# Altium PCB FOC-PMSM.PcbDoc (part 1 of 2)
Units mm, origin at the board's own origin, x right, y up, seen from the top; angles counter-clockwise.
Board outline 99.83 x 99.65 mm, 2 copper layers (Top Layer, Bottom Layer); 90 components, 58 nets, 267 pads, 509 vias.
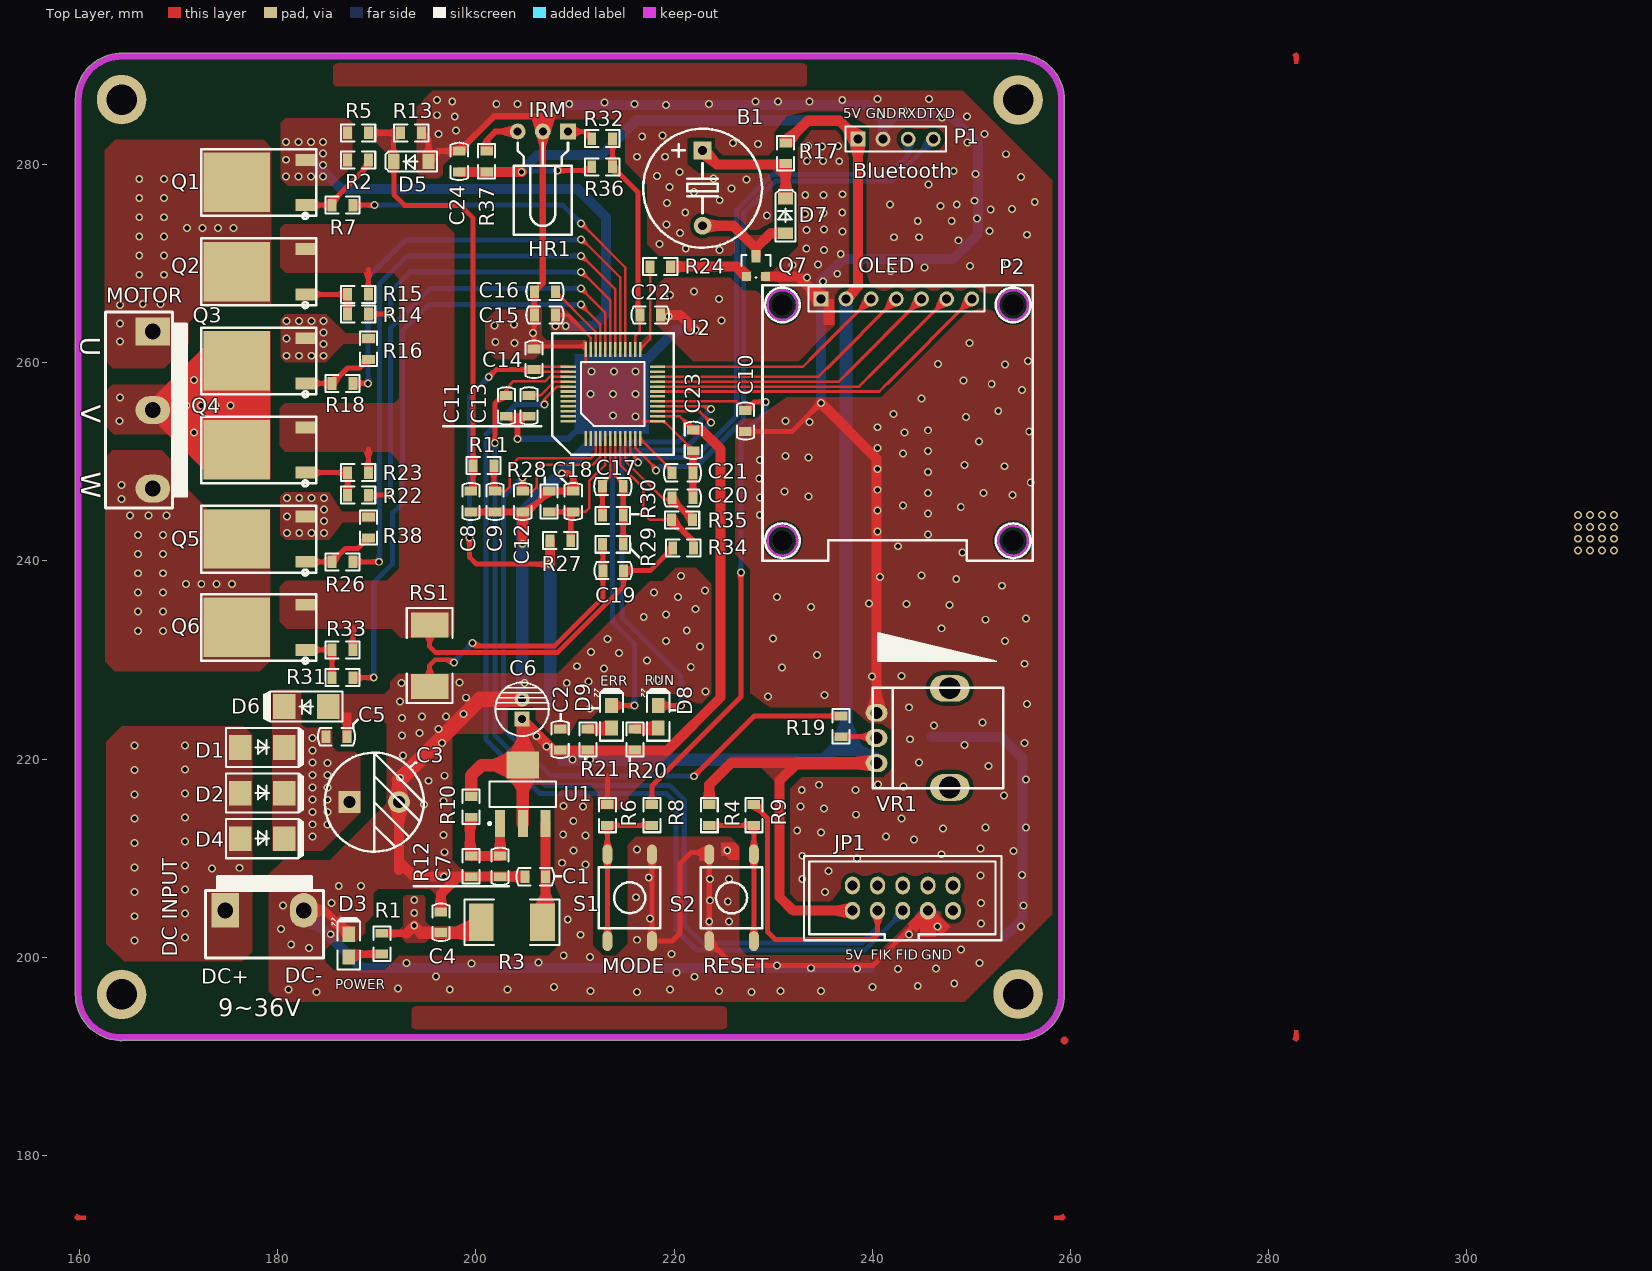
[diagram p0: Top Layer view]
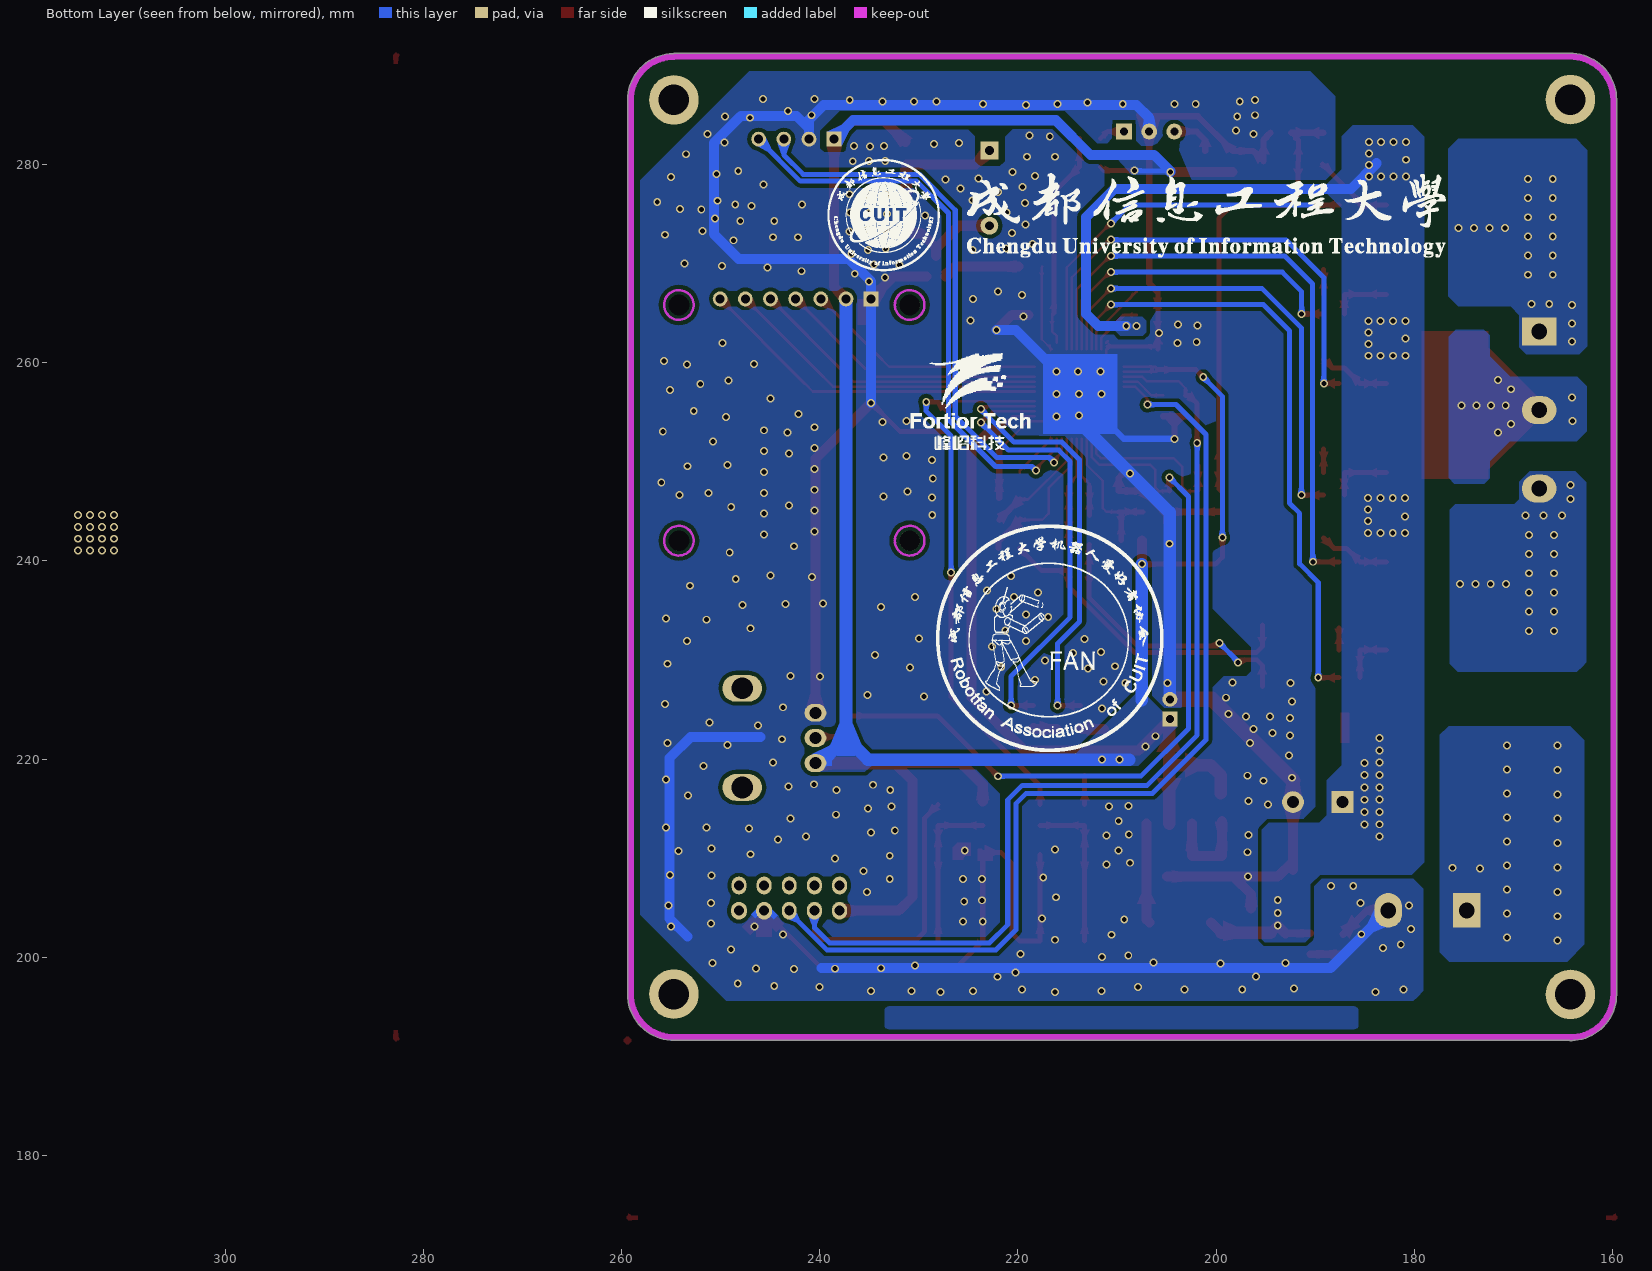
[diagram p1: Bottom Layer view, seen from below]
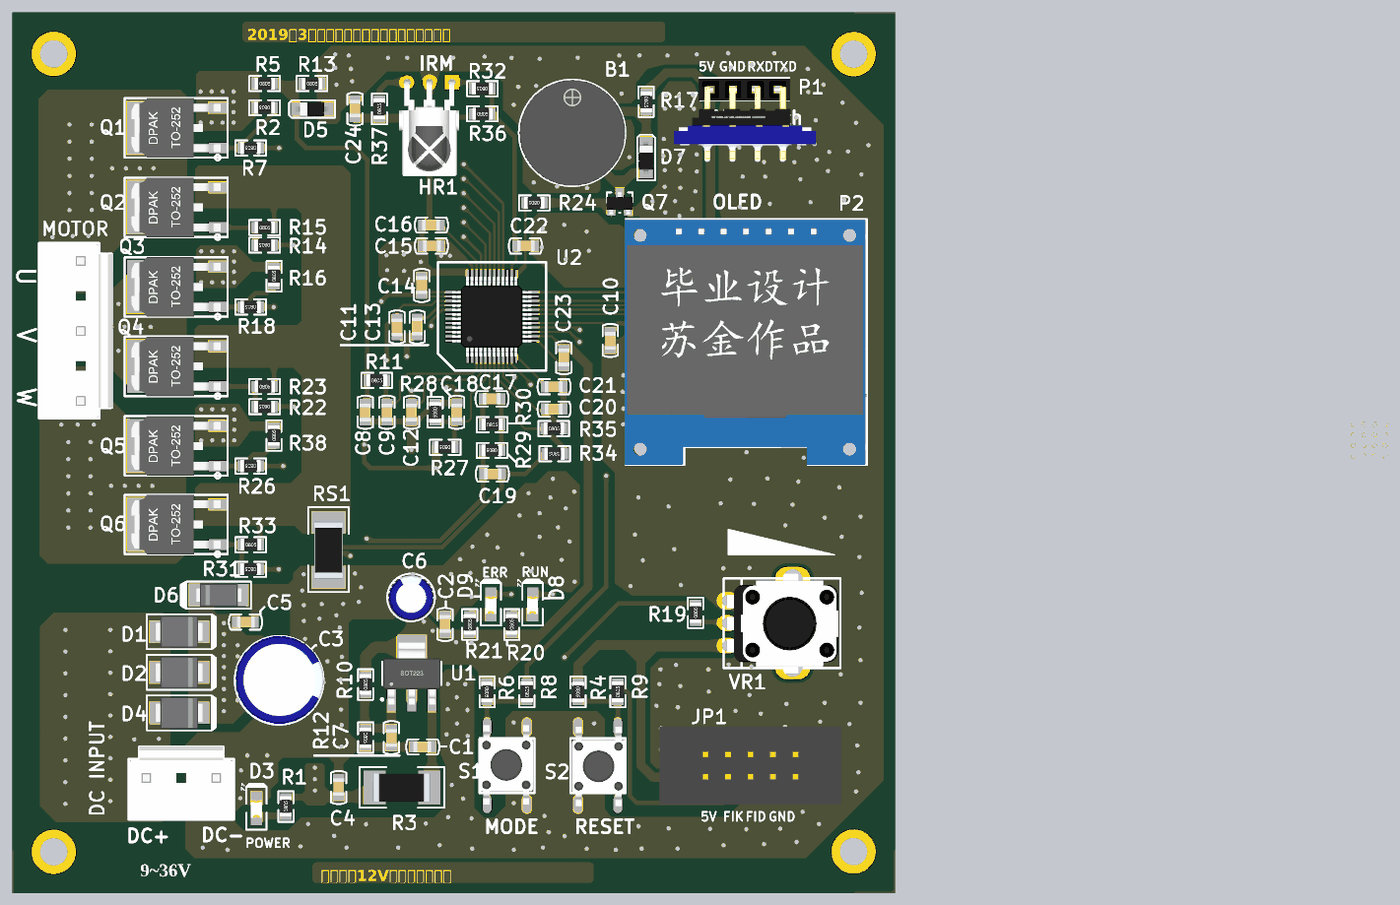
[diagram p3: 3D render of the assembled board from above, using the file's embedded part models]

## Layer stack, top to bottom
Top Solder: solder mask 0.0102, Solder Resist, Dk 3.5
Top Layer: signal copper 0.0356
Dielectric 1: dielectric 0.32, FR-4, Dk 4.8
Bottom Layer: signal copper 0.0356
Bottom Solder: solder mask 0.0102, Solder Resist, Dk 3.5

## Board outline
163.786,191.596 cw(c164.236,196.24) 159.57,196.24 cw(c159.888,196.24) 159.575,196.296 159.575,286.507 cw(c159.888,286.563) 159.57,286.563 cw(c164.236,286.563) 163.964,291.221 cw(c164.008,290.906) 164.008,291.224 164.022,291.224 cw(c164.236,286.563) 164.236,291.229 cw(c164.236,290.911) 164.292,291.224 254.711,291.224 cw(c254.711,290.906) 254.826,291.203 cw(c254.737,286.537) 259.403,286.537 cw(c259.085,286.537) 259.398,286.482 259.398,196.322 cw(c259.085,196.266) 259.403,196.266 cw(c254.737,196.266) 255.057,191.611 cw(c254.94,191.906) 254.94,191.588 164.33,191.588 cw(c164.236,191.892) 164.236,191.574 cw(c164.236,196.24) 163.874,191.588 163.855,191.588 cw(c163.855,191.906)

## Design rules (kind name [scope] priority, off if disabled: settings)
Clearance [NOT(InPolygon) vs NOT(InPolygon)] p1: gap=0.177
Clearance Polygon [InPolygon] p2: gap=0.4
Height [All] p1: minheight=0 maxheight=127 prefheight=12.7
PolygonConnect [All] p1: connectstyle=Direct reliefconductorwidth=0.254 reliefentries=4 polygonreliefangle="90 Angle" airgapwidth=0.254
RoutingVias [All] p1: holewidth=0.711 width=1.27 viastyle="Through Hole" minholewidth=0.279 minwidth=0.762 maxholewidth=0.711 maxwidth=1.27
SolderMaskExpansion [All] p1: expansion=0.102
Width [All] p1: maxlimit=5.08 minlimit=0.025 preferedwidth=0.254
29 further rules are at their usual default settings.

## Components (designator, comment, footprint, x,y, rotation, side; value= is the part's Value field where it differs from the comment)
B1 "BEEP" "BEEP 7.6x12x9.5" 222.885,281.432 r270 top
C1 "1uF/50V" C0805 207.004,208.119 r180 top
C2 "0.1uF" C0805 208.509,220.956 r90 top
C3 "220uF/50V" CE5-10/16 187.198,215.646 r0 top
C4 "1uF/50V" C0805 196.469,202.502 r90 top
C5 "0.1uF/50V" C0805 184.912,222.25 r0 top
C6 "22uF/16V" DIP-EC2.0X5X11 204.664,224.028 r90 top
C7 "0.1uF" C0805 202.438,210.185 r270 top
C8 "0.1uF" C0805 199.492,247.015 r270 top
C9 "0.1uF" C0805 201.93,247.015 r270 top
C10 "0.1uF" C0805 227.203,255.143 r270 top
C11 "NC" C0805 203.073,256.667 r270 top
C12 "0.1uF" C0805 204.724,247.015 r270 top
C13 "1uF" C0805 205.359,254.635 r90 top
C14 "1uF" C0805 205.867,259.334 r90 top
C15 "1uF/50V" C0805 205.952,264.82 r0 top
C16 "1uF" C0805 207.984,267.183 r180 top
C17 "NC" C0805 214.84,247.523 r180 top
C18 "0.1uF" C0805 209.829,247.015 r270 top
C19 "100pF" C0805 212.852,239.014 r0 top
C20 "1uF" C0805 221.869,246.355 r180 top
C21 "1uF" C0805 221.869,248.895 r180 top
C22 "1nF" C0805 216.586,264.82 r0 top
C23 "1uF" C0805 221.945,251.155 r90 top
C24 "104/0.1uF" C0805 198.323,279.31 r90 top
D1 "SS34" SMB 176.213,221.158 r0 top
D2 "SS34" SMB 176.213,216.56 r0 top
D3 "LED" LED0805 187.173,200.025 r90 top
D4 "SS34" SMB 176.213,211.963 r0 top
D5 "5V1" SOD-123 195.233,280.326 r180 top
D6 "SMAJ36CA" SMA 185.102,225.298 r180 top
D7 "1N4148" SOD-123 231.267,273.05 r90 top
D8 "LED" LED0805 218.415,223.114 r90 top
D9 "LED" LED0805 213.69,223.114 r90 top
"DC INPUT" "CON2" 250-2P 174.704,204.724 r0 top
HR1 "VS1838B" VS1838B-B_H 206.756,283.337 r180 top
JP1 "HEADER 5X2" "DC3-14P 2*7  2.54" 237.998,204.685 r0 top
MOTOR "CON3" 250-3P 167.386,263.144 r270 top
P1 "Bluetooth" HDR1X4 238.557,282.575 r0 top
P2 "OLED" HDR1X7 234.823,266.446 r0 top
Q1 "RU40L10L" TO-252-3L 179.324,278.189 r90 top
Q2 "RU3560L" TO-252-3L 179.324,269.189 r90 top
Q3 "RU40L10L" TO-252-3L 179.324,260.189 r90 top
Q4 "RU3560L" TO-252-3L 179.324,251.189 r90 top
Q5 "RU40L10L" TO-252-3L 179.324,242.189 r90 top
Q6 "RU3560L" TO-252-3L 179.324,233.289 r90 top
Q7 "SS8055" SOT-23 227.33,268.732 r0 top
R1 "30K" R0805 190.5,200.308 r90 top
R2 "10K" R0805 189.154,280.469 r180 top
R3 "100R" R2512 200.533,203.511 r0 top
R4 "5.1K/1%" R0805 223.556,215.392 r270 top
R5 "15K" R0805 187.054,283.21 r0 top
R6 "5.1K/1%" R0805 213.269,215.392 r270 top
R7 "51R" R0805 187.579,275.909 r180 top
R8 "1K" R0805 217.769,213.292 r90 top
R9 "1K" R0805 228.056,213.292 r90 top
R10 "1K" R0805 199.517,214.122 r90 top
R11 "1K" R0805 199.72,249.606 r0 top
R12 "3K" R0805 199.517,210.219 r270 top
R13 "2K" R0805 192.405,283.21 r0 top
R14 "51R" R0805 189.154,264.922 r180 top
R15 "10K" R0805 187.054,266.909 r0 top
R16 "10K" R0805 189.154,260.35 r90 top
R17 "30R" R0805 231.267,282.194 r270 top
R18 "51R" R0805 187.579,257.909 r180 top
R19 "1K" R0805 236.855,222.25 r90 top
R20 "5.1K" R0805 216.052,220.922 r90 top
R21 "5.1K" R0805 211.303,220.922 r90 top
R22 "51R" R0805 189.154,246.634 r180 top
R23 "10K" R0805 187.054,248.909 r0 top
R24 "3K" R0805 219.659,269.697 r180 top
R26 "51R" R0805 187.579,239.909 r180 top
R27 "10K" R0805 209.575,242.037 r180 top
R28 "10K" R0805 207.391,247.049 r270 top
R29 "2K/1%" R0805 214.874,241.679 r180 top
R30 "6.2K/1%" R0805 212.774,244.597 r0 top
R31 "51R" R0805 187.579,228.219 r180 top
R32 "1K" R0805 213.792,282.626 r180 top
R33 "10K" R0805 185.479,231.009 r0 top
R34 "2K/1%" R0805 221.971,241.3 r180 top
R35 "NC" R0805 219.761,244.145 r0 top
R36 "10K" R0805 211.692,279.781 r0 top
R37 "100R" R0805 201.092,279.276 r90 top
R38 "10K" R0805 189.154,242.316 r90 top
RS1 "R010" R2512 195.326,227.33 r90 top
S1 "SW DPST" SW-6/6 215.519,205.994 r90 top
S2 "SW DPST" SW-6/6 225.806,205.994 r270 top
U1 "LM317" SOT-223 202.438,213.487 r0 top
U2 "FU6831" LQFP48 211.074,252.349 r0 top
VR1 "" VR6 240.443,219.583 r90 top

## Footprints (in the part's own frame and the unit in brackets; to place one, negate y for a bottom-side part, rotate by r counter-clockwise, add the part's x,y. Pads: shape width x height; smd on the part's side, far side on the other; paste and mask are expansions set on the pad)
250-2P [mm]
  rect 2.8x3.5 hole 1.6: 1(0,0)
  oval 2.8x3.5 hole 1.6: 2(7.92,0)
  silkscreen extent -1.98,-4.8 9.9,3.4, body extent -1.98,-4.92 9.9,3.48, height 14.6
250-3P [mm]
  rect 2.8x3.5 hole 1.6: 1(0,0)
  oval 2.8x3.5 hole 1.6: 2(7.92,0) 3(15.84,0)
  silkscreen extent -1.98,-4.8 17.82,3.4, body extent -1.96,-4.91 17.84,3.49, height 14.6
"BEEP 7.6x12x9.5" [mm]
  rect 1.8x1.8 hole 0.9: 1(0,0)
  round 1.8 hole 0.9: 2(7.6,0)
  silkscreen extent -2.19,-6 9.81,6, body extent -2.19,-5.97 9.81,6.03, height 9.55
C0805 [mm]
  rect 0.9x1.27 smd mask+0.051: 1(-0.034,0) 2(2.066,0)
  silkscreen extent -0.87,-0.86 2.9,0.86, body extent 0.07,-0.63 2.07,0.63, height 1.25
CE5-10/16 [mm]
  rect 2.2x2.2 hole 1.2: 1(0.04,0)
  round 2.2 hole 1.2: 2(5.04,0)
  silkscreen extent -2.46,-5 7.54,5, body extent -2.41,-4.94 7.6,5.05, height 16.04
"DC3-14P 2*7  2.54" [mm]
  oval 1.5x1.8 hole 1: 1(0.009,0.003) 2(0.009,2.543) 3(2.549,0.003) 4(2.549,2.543) 5(5.089,0.003) 6(5.089,2.543) 8(7.629,2.543) 10(10.169,2.543)
  oval 1.6x1.8 hole 1: 7(7.629,0.003) 9(10.169,0.003)
  silkscreen extent -4.87,-2.98 15.05,5.52, body extent -5.22,-3.09 15.38,5.71, height 9.1
DIP-EC2.0X5X11 [mm]
  rect 1.5x1.5 hole 0.8: 1(0,0)
  round 1.5 hole 0.8: 2(2,0)
  silkscreen extent -1.7,-2.7 3.7,2.7, body extent -1.52,-2.5 3.49,2.5, height 11.04
HDR1X4 [mm] "Connector; Header; 4 Position"
  rect 1.5x1.5 hole 0.9: 1(0,0)
  round 1.5 hole 0.9: 2(2.54,0) 3(5.08,0) 4(7.62,0)
  silkscreen extent -1.27,-1.27 8.89,1.27, body extent -4.11,-8.23 11.89,1.17, height 45
HDR1X7 [mm] "Connector; Header; 7 Position"
  rect 1.5x1.5 hole 0.9: 1(0,0)
  round 1.5 hole 0.9: 2(2.54,0) 3(5.08,0) 4(7.62,0) 5(10.16,0) 6(12.7,0) 7(15.24,0)
  round 2 hole 2.1: A(-3.892,-0.609) B(19.408,-0.609) C(-3.892,-24.409) D(19.408,-24.409)
  Keep-Out Layer circle w0.254: c-3.892,-24.409 r1.496
  Keep-Out Layer circle w0.254: c19.408,-24.409 r1.496
  Keep-Out Layer circle w0.254: c19.408,-0.609 r1.496
  Keep-Out Layer circle w0.254: c-3.892,-0.609 r1.496
  silkscreen extent -5.89,-26.41 21.41,1.39, body extent -6.02,-26.42 21.26,1.37, height 13.5
LED0805 [mil]
  rect 60x50 smd mask+2: 1(0,0) 2(90,0)
  silkscreen extent -50,-45 156,67, body extent 3,-25 81,25, height 32
LQFP48 [mil]
  rect 10x60 smd: 1(0,0) 2(19.68,0) 3(39.37,0) 4(59.06,0) 5(78.74,0) 6(98.42,0) 7(118.11,0) 8(137.8,0) 9(157.48,0) 10(177.17,0) 11(196.85,0) 12(216.53,0) 25(216.53,354.33) 26(196.85,354.33) 27(177.17,354.33) 28(157.48,354.33) 29(137.8,354.33) 30(118.11,354.33) 31(98.42,354.33) 32(78.74,354.33) 33(59.06,354.33) 34(39.37,354.33) 35(19.68,354.33) 36(0,354.33)
  rect 60x10 smd: 13(285.43,68.9) 14(285.43,88.58) 15(285.43,108.27) 16(285.43,127.95) 17(285.43,147.64) 18(285.43,167.32) 19(285.43,187.01) 20(285.43,206.69) 21(285.43,226.38) 22(285.43,246.06) 23(285.43,265.75) 24(285.43,285.43) 37(-68.9,285.43) 38(-68.9,265.75) 39(-68.9,246.06) 40(-68.9,226.38) 41(-68.9,206.69) 42(-68.9,187.01) 43(-68.9,167.32) 44(-68.9,147.64) 45(-68.9,127.95) 46(-68.9,108.27) 47(-68.9,88.58) 48(-68.9,68.9)
  silkscreen extent -133,-64 349,418, body extent -70,-1 284,353, height 59
R0805 [mm]
  rect 0.9x1.27 smd mask+0.051: 1(0,0) 2(2.1,0)
  silkscreen extent -0.69,-0.86 2.79,0.86, body extent -0.08,-0.67 2.22,0.68, height 0.76
R2512 [mm]
  rect 2.5x3.8 smd mask+0.051: 1(0,0) 2(6.196,0)
  silkscreen extent -1.69,-2.29 7.91,2.31, body extent -0.3,-1.6 6.4,1.6, height 0.55
SMA [mil]
  rect 90x98 smd mask+2: 1(0,0) 2(175,0)
  silkscreen extent -57,-60 255,60, body extent -16,-51 188,51, height 95
SMB [mil]
  rect 90x98 smd mask+2: 1(0,0) 2(175,0)
  silkscreen extent -57,-78 250,78, body extent -19,-71 193,71, height 91
SOD-123 [mm]
  rect 1.2x1.5 smd: 1(0.028,0) 2(3.528,0)
  silkscreen extent -0.82,-1 4.38,1, body extent -0.07,-0.77 3.63,0.83, height 1.27
SOT-23 [mil]
  rect 36x36 smd: 1(-0.51,-0.15) 3(74.49,-0.15)
  rect 36x50 smd: 2(37.49,79.85)
  silkscreen extent -21,-5 94,85, body extent -22,-13 96,85, height 41
SOT-223 [mm]
  rect 1x2.7 smd: 1(0,0) 2(2.3,0) 3(4.6,0)
  rect 3.3x2.7 smd: 4(2.3,5.9)
  silkscreen extent -1.17,-0.12 5.65,4.25, body extent -0.94,-0.59 5.56,6.43, height 1.65
SW-6/6 [mm]
  oval 2x1 smd: 1(-4.37,-2.25) 1(4.37,-2.25) 2(-4.37,2.25) 2(4.37,2.25)
  silkscreen extent -3.1,-3.1 3.1,3.1, body extent -4.42,-2.92 4.58,3.08, height 4.95
TO-252-3L [mm]
  rect 1.2x2 smd: 1(-2.28,-3.457) 3(2.28,-3.457)
  rect 6x6.7 smd: 2(0.02,3.457)
  silkscreen extent -3.66,-4.58 3.36,7.06, body extent -3.37,-3.79 3.37,6.31, height 2.37
VR6 [mm]
  oval 1.8x2.2 hole 1.2: 1(0,0) 3(5.08,0) W(2.54,0)
  oval 2.7x4 hole 2.2: 4(7.55,-7.4) 5(-2.45,-7.4)
  silkscreen extent -2.54,-12.81 7.62,0.4, body extent -3.21,-12.56 8.19,0.09, height 20
VS1838B-B_H [mm]
  rect 1.6x1.6 hole 0.8: 1(-2.54,0)
  round 1.6 hole 0.8: 2(0,0) 3(2.54,0)
  silkscreen extent -2.92,1.14 2.92,10.41, body extent -3.37,-0.22 3.43,10.63, height 5.15

## Part data
B1: "蜂鸣器"
C1 C2 C4 C5 C7 C8 C9 C10 C11 C12 C13 C14 C15 C16 C17 C18 C19 C20 C21 C22 C23 C24: library part CAP, "Capacitor"
C3 C6: library part CAP极性, "Capacitor"
D1 D2 D4 D7: library part DIODE, "Diode"
D5 D6: library part ZENER3, "Zener Diode"
"DC INPUT" MOTOR: "Connector"
HR1: "红外接收头"
P1: library part "Header 4", "Header, 4-Pin"
P2: library part "Header 7", "Header, 7-Pin"
Q1 Q3 Q5: library part CAP_4
Q2 Q4 Q6: library part CAP_2
Q7: library part NPN, "NPN Transistor"
R1 R2 R3 R5 R7 R10 R11 R12 R13 R14 R15 R16 R17 R18 R20 R21 R22 R23 R24 R26 R27 R28 R31 R32 R33 R36 R37 R38 RS1: library part RES-SMD, "RES"
R4 R6 R8 R9 R19 R29 R30 R34 R35: library part RES(SMD)
VR1: library part RV-3296, "Potentiometer"

## Free pads (board coordinates)
  round 5 hole 3.1: 1(164.236,286.563) 2(254.737,286.537) 3(164.236,196.24) 4(254.737,196.266)

## Via types
v1: diameter 0.8, hole 0.5, Top Layer to Bottom Layer, tented both sides, 493 vias
v2: diameter 0.8, hole 0.5, Top Layer to Bottom Layer, 16 vias

## Nets (pads, with @x,y where several pads share a name; then routed paths per layer and width w, separated by ;. In a path a pad name is that pad's centre, name@x,y a point inside that pad or via, vN(x,y) a via of type N, cw(c..) or ccw(c..) an arc to the next point about the centre after c; other vN are vias at no path point)
AMP0M: C17.1 R29.1 R30.2 U2.7 | length 11
  Top Layer w0.254: U2.7@214.074,252.349 214.074,248.562 214.874,247.762 C17.1@214.874,247.523
  Top Layer w0.508: R29.1@214.874,241.679 R30.2@214.874,244.597 C17.1@214.874,247.523
AMP0O: C17.2 R30.1 U2.6 | length 8.1
  Top Layer w0.254: C17.2@212.774,247.523 212.774,247.775 213.574,248.575 U2.6@213.574,252.349
  Top Layer w0.508: R30.1@212.774,244.597 C17.2@212.774,247.523
AMP0P: R34.1 R35.1 U2.8 | length 15.4
  Top Layer w0.254: U2.8@214.574,252.349 214.574,249.687 216.916,247.345 216.916,244.78 217.551,244.145 R35.1@219.761,244.145
  Top Layer w0.635: R35.1@219.761,244.145 221.971,241.935 R34.1@221.971,241.3
BZ: R24.2 U2.25 | length 8.8
  Top Layer w0.254: U2.25@216.574,261.349 217.602,262.377 217.602,269.655 R24.2@217.559,269.697
ERR: D9.2 U2.16 | length 45.7
  Top Layer w0.254: U2.16@218.324,255.599 223.47,255.599 v1(223.749,255.321)
  Top Layer w0.508: D9.2@213.69,225.4 v1(216.002,225.4)
  Bottom Layer w0.508: v1(216.002,225.4) 216.002,231.648 213.792,233.858 213.792,250.215 215.57,251.993 220.421,251.993 v1(223.749,255.321)
FICED: JP1.5 U2.41 | length 101.6
  Top Layer w0.254: v1(206.934,255.778) 206.934,256.337 208.196,257.599 U2.41@209.324,257.599
  Bottom Layer w0.254: v1@206.881,255.725 v1(206.934,255.778)
  Bottom Layer w0.508: v1(206.934,255.778) 204.038,255.778 201.016,252.755 201.016,221.945 206.426,216.535 219.177,216.535 220.218,215.494 220.218,202.743 222.225,200.736 239.298,200.736 243.087,204.525 JP1.5@243.087,204.688
FICEK: C11.1 JP1.3 R9.2 U2.39 | length 126.9
  Top Layer w0.254: C11.1@203.073,256.701 203.073,257.429 203.784,258.14 207.01,258.14 207.469,258.599 U2.39@209.324,258.599
  Top Layer w0.508: v1(201.905,251.892) 201.93,251.917 201.93,255.905 202.726,256.701 C11.1@203.073,256.701 ; R9.2@228.056,215.392 229.413,214.035 229.413,202.59 230.226,201.778 239.979,201.778 240.547,202.345 JP1.3@240.547,204.688
  Bottom Layer w0.508: v1(201.905,251.892) 201.905,222.402 206.959,217.348 219.558,217.348 221.031,215.875 221.031,203.276 222.885,201.422 239.014,201.422 240.547,202.955 JP1.3@240.547,204.688
GND: "DC INPUT.2" C1.2 C2.2 C3.2 C4.2 C5.2 C6.2 C7.2 C8.2 C9.2 C10.2 C11.2 C12.2 C13.1 C14.2 C15.1 C16.2 C18.1 C19.1 C20.1 C21.1 C22.2 C23.1 C24.2 D3.2 D5.1 D6.1 HR1.2 JP1.7 P1.2 P2.1 Q7.3 R12.2 R13.2 R28.1 R29.2 RS1.1 S1.1 S2.1 U2.13 U2.36 VR1.3 | length 508.6
  Top Layer w0.254: C16.2@205.867,267.132 C16.2@205.918,267.183 ; C14.2@205.918,261.645 C14.2@206.015,261.548 ; 211.074,259.969 U2.36@211.074,261.349 ; 216.84,254.102 216.842,254.099 U2.13@218.324,254.099 218.967,254.099 C23.1@221.945,251.121
  Top Layer w0.381: C14.2@205.842,261.654 U2.36@210.998,261.654 ; C14.2@205.867,261.4 C14.2@205.918,261.349
  Top Layer w0.5: RS1.1@195.326,227.33 195.326,229.464 195.885,230.022 197.51,230.022 v1(197.79,229.743) ; v1(199.644,231.699) 199.923,231.419 207.95,231.419 212.818,236.288 C19.1@212.818,239.014 212.818,241.635 R29.2@212.774,241.679
  Top Layer w0.508: C14.2@205.867,261.4 C16.2@205.867,267.132 ; S1.1@217.769,210.364 S1.1@217.769,201.624 219.81,201.624 220.624,202.438 220.624,209.474 221.691,210.541 223.379,210.541 S2.1@223.556,210.364 S2.1@223.556,201.624 226.044,199.136 240.075,199.136 JP1.7@245.627,204.688 ; C10.2@227.203,253.077 231.919,253.077 v1@234.798,255.956
  Top Layer w0.635: R13.2@194.505,283.21 195.205,282.51 D5.1@195.205,280.326 196.255,281.376 C24.2@198.323,281.376 201.834,284.886 206.756,284.886 HR1.2@206.756,283.337 206.756,268.021 C16.2@205.918,267.183 ; C8.2@199.492,244.949 C9.2@201.93,244.949 C12.2@204.724,244.949 205.291,244.949 R28.1@207.391,247.049 C18.1@209.829,247.049 209.829,248.387 209.398,248.818 v1(208.686,248.818) ; C11.2@203.073,254.601 204.191,254.601 ; v1(204.191,252.324) 204.191,254.601 ; v1(204.699,241.732) v1@204.724,241.757 ; C13.1@205.359,254.601 204.191,254.601 ; C20.1@221.903,246.355 C21.1@221.903,248.895 221.903,251.079 C23.1@221.945,251.121
  Top Layer w0.762: 182.624,204.724 184.76,204.724 D3.2@187.173,202.311
  Top Layer w1.016: 192.238,208.799 192.238,209.666 ; C3.2@192.238,215.646 192.238,209.666 ; C4.2@196.469,204.902 196.469,206.375 198.213,208.119 ; v1@204.724,241.757 C12.2@204.724,244.949 ; C1.2@204.938,208.119 C7.2@202.438,208.119 R12.2@199.517,208.119 193.785,208.119 192.238,209.666 ; C22.2@218.948,264.82 220.624,264.82 v1(222.148,263.296) ; Q7.3@229.222,268.728 232.541,268.728 P2.1@234.823,266.446 ; v1@234.798,255.956 240.443,250.311 VR1.3@240.443,224.663
  Top Layer w1.27: C3.2@192.238,215.646 v1@192.238,217.841
  Top Layer w1.524: v1@192.238,217.841 200.425,226.028 C6.2@204.664,226.028
  Bottom Layer w0.5: v1(197.79,229.743) 197.79,229.845 v1(199.644,231.699)
  Bottom Layer w0.635: v1(204.191,252.324) 209.334,252.324 v1(213.843,256.832) ; 213.843,253.975 v1(213.843,254.686) ; v1(216.103,259.105) v1@216.103,259.182
  Bottom Layer w1.016: 182.624,204.724 188.466,198.882 239.821,198.882 ; C6.2@204.664,226.028 C6.2@204.699,226.063 ; HR1.2@206.756,283.337 206.756,284.734 208.026,286.004 239.624,286.004 241.097,284.531 P1.2@241.097,282.575 241.097,283.642 242.367,284.912 247.98,284.912 250.698,282.194 250.698,272.999 248.183,270.485 237.109,270.485 234.823,268.199 P2.1@234.823,266.446 v1(234.823,255.93) ; v1(208.686,248.818) 213.843,253.975 ; 215.341,255.524 215.341,258.47 ; v1@216.103,259.182 220.218,263.296 v1(222.148,263.296) ; 245.974,222.225 253.035,222.225 255.168,220.091 255.168,203.886 253.365,202.082
  Bottom Layer w1.27: C6.2@204.699,226.063 v1(204.699,241.732) 204.699,244.881 215.341,255.524
  other v1: 183.896,196.469 216.281,196.469 227.838,196.469 211.582,196.596 224.536,196.596 230.759,196.596 234.823,196.596 181.102,196.723 197.358,196.723 203.2,196.723 219.583,196.723 192.151,196.85 207.899,196.977 240.03,196.977 244.602,197.104 248.285,197.358 222.047,198.018 195.961,198.044 220.243,198.45 242.595,198.806 238.481,198.831 246.431,198.857 233.807,198.882 230.403,199.136 199.568,199.365 193.015,199.39 250.825,199.39 206.324,199.441 211.506,200.025 208.864,200.177 219.761,200.304 248.971,200.762 183.134,200.914 181.356,201.295 216.281,201.752 210.566,202.26 243.713,202.286 185.344,202.311 180.34,202.819 246.583,203.073 255.016,203.073 250.977,203.378 223.556,203.581 225.552,203.581 209.271,203.81 217.576,203.886 180.543,205.207 255.27,205.232 185.42,205.461 250.977,205.486 225.425,205.613 223.647,205.74 216.179,206.045 235.229,206.578 186.157,207.162 188.392,207.162 232.943,207.874 223.647,207.899 225.552,207.899 217.449,208.026 196.799,208.153 250.952,208.229 255.143,208.28 235.61,208.686 211.074,209.347 208.686,209.525 238.481,209.956 232.943,210.236 246.99,210.388 196.825,210.591 254.279,210.693 209.855,210.744 225.374,210.769 216.281,210.871 250.952,210.972 244.221,211.887 241.376,212.192 211.049,212.293 196.748,212.344 208.813,212.369 234.848,212.598 232.435,212.776 247.142,212.979 251.46,213.106 255.524,213.106 209.829,213.741 242.951,213.995 238.354,214.376 235.128,215.011 210.795,215.214 232.766,215.214 208.839,215.24 194.767,215.417 196.723,215.748 253.289,216.332 232.893,216.891 238.303,216.891 243.18,217.246 234.645,217.399 240.589,217.449 195.199,217.805 255.524,217.932 192.354,218.11 196.85,218.313 251.765,219.278 244.729,219.634 192.659,220.345 249.301,221.412 196.596,221.615 255.397,221.615 243.815,221.996 192.532,222.377 194.31,222.631 196.215,223.012 246.253,223.368 251.155,223.672 192.532,224.155 194.564,224.282 196.977,224.282 198.755,224.536 211.506,225.095 243.738,225.222 255.651,225.552 192.329,225.806 199.009,226.187 229.489,226.314 235.204,226.441 223.164,226.822 192.507,227.66 204.902,227.66 209.169,227.686 198.323,227.736 211.379,227.813 218.262,227.99 240.005,228.346 242.951,228.371 212.928,229.133 230.886,229.235 221.691,229.286 210.21,229.362 255.397,229.616 217.272,229.946 234.442,230.505 214.452,230.683 211.607,230.784 222.606,231.369 219.202,231.902 253.39,231.902 213.284,232.131 229.997,232.156 221.285,232.969 247.015,233.197 251.46,234.061 255.524,234.188 216.941,234.315 219.202,234.569 222.174,235.128 233.807,235.331 247.828,235.534 243.459,235.636 239.7,235.687 220.421,236.347 230.378,236.347 217.957,236.83 223.139,237.007 253.111,237.49 248.488,238.15 240.792,238.379 220.701,238.455 244.983,238.506 249.098,240.843 242.621,241.478 245.618,242.661 240.538,242.969 228.651,244.627 245.618,244.765 240.538,245.074 248.945,245.44 243.129,245.593 228.676,246.405 233.553,246.507 254.152,246.659 251.231,246.837 245.618,246.87 231.14,247.015 240.538,247.178 256.007,247.904 228.6,248.31 245.618,248.974 240.538,249.283 253.365,249.555 249.301,249.682 228.676,250.19 233.553,250.444 231.267,250.571 243.129,250.825 245.618,251.079 240.538,251.387 250.774,252.044 243.256,252.959 255.854,253.06 245.618,253.184 240.538,253.492 233.68,254 231.267,254.127 249.453,254.533 216.103,254.559 242.164,254.838 252.73,255.143 244.983,256.413 211.582,256.832 216.103,256.832 255.143,257.251 252.07,257.835 249.225,258.191 211.684,259.105 213.944,259.105 253.416,259.842 246.634,259.893 255.727,260.198 203.886,262.001 249.809,262.001 201.955,262.077 205.765,263.017 201.879,263.754 203.86,263.855 224.79,264.287 219.456,264.668 224.536,266.446 219.583,266.827 221.996,267.208 235.026,268.224 233.426,268.605 236.474,268.986 241.859,269.24 245.262,269.596 249.86,269.773 231.978,269.85 234.544,269.9 253.67,270.027 236.83,270.993 224.587,271.399 235.128,271.399 233.35,271.526 221.183,271.551 218.542,272.009 248.717,272.364 242.189,272.669 244.729,272.669 255.626,272.923 220.599,273.101 237.007,273.253 251.841,273.304 233.375,273.406 235.128,273.431 219.253,273.939 244.602,274.32 248.031,274.32 250.571,274.574 229.362,274.879 233.223,275.006 235.102,275.133 221.132,275.184 236.982,275.184 251.968,275.463 254.102,275.514 246.888,275.844 241.808,275.971 248.539,275.971 219.304,276.123 256.413,276.225 250.317,276.352 224.612,276.403 233.248,276.936 235.102,276.936 237.007,277.012 221.996,277.241 225.781,277.597 219.532,277.724 245.669,278.003 227.33,278.511 224.003,278.587 255.016,278.765 218.288,278.867 250.444,279.044 220.548,279.273 248.234,279.349 236.677,280.34 233.401,280.365 235.052,280.365 216.281,280.797 219.075,280.797 253.492,281.051 234.95,281.813 233.502,281.864 236.55,281.889 228.473,282.067 225.933,282.194 249.606,282.245 216.789,282.829 218.821,282.956 196.215,283.083 251.333,283.083 197.993,283.464 247.066,284.734 197.866,284.861 249.555,284.861 196.088,284.988 240.843,284.988 243.205,285.394 219.202,286.004 202.057,286.131 204.216,286.131 209.423,286.131 216.027,286.131 223.52,286.131 212.979,286.258 197.612,286.385 228.219,286.385 230.505,286.385 233.68,286.385 196.088,286.512 236.982,286.512 240.538,286.639 245.745,286.639
H_PU: R7.1 U2.28 | length 38.4
  Top Layer w0.254: v1(210.617,274.066) 210.642,274.066 215.074,269.634 U2.28@215.074,261.349
  Top Layer w0.508: R7.1@187.579,275.909 v1(189.749,275.909)
  Bottom Layer w0.508: v1(189.749,275.909) 208.774,275.909 v1(210.617,274.066)
H_PV: R18.1 U2.29 | length 48
  Top Layer w0.254: v1@210.769,272.415 214.574,268.61 U2.29@214.574,261.349
  Top Layer w0.508: R18.1@187.579,257.909 v1(189.126,257.909)
  Bottom Layer w0.508: v1(189.126,257.909) 189.126,268.603 192.938,272.415 v1@210.617,272.415
  other v1: 210.617,272.425
H_PW: R26.1 U2.30 | length 63.1
  Top Layer w0.254: v1@210.649,270.808 214.074,267.383 U2.30@214.074,261.349
  Top Layer w0.508: R26.1@187.579,239.909 v1(190.201,239.909)
  Bottom Layer w0.508: v1@190.246,239.909 190.246,267.945 193.078,270.777 v1@210.617,270.777
  other v1: 210.617,270.784
I_SHUNT: C19.2 Q2.3 Q4.3 Q6.3 R15.2 R23.2 R33.2 R34.2 RS1.2 | length 39.4
  Top Layer w0.5: RS1.2@195.326,233.526 195.326,231.343 195.936,230.734 208.223,230.734 214.918,237.429 C19.2@214.918,239.014 217.585,239.014 R34.2@219.871,241.3
  Top Layer w0.508: R33.2@187.579,231.009 187.579,233.248 ; R23.2@189.154,248.909 189.154,251.308 ; R15.2@189.154,266.909 189.154,269.418
IR: C22.1 R32.1 R36.2 U2.26 | length 22
  Top Layer w0.254: U2.26@216.074,262.001 216.074,262.683 216.552,263.161 C22.1@216.552,264.82
  Top Layer w0.35: C22.1@216.357,265.015 C22.1@216.552,264.82
  Top Layer w0.508: R32.1@213.792,282.626 R36.2@213.792,279.781 216.357,277.216 C22.1@216.357,265.015
L_NU: R14.1 U2.31 | length 33.5
  Top Layer w0.254: v1@210.693,269.164 213.574,266.283 U2.31@213.574,261.349
  Top Layer w0.508: R14.1@189.154,264.922 v1(191.364,264.922)
  Bottom Layer w0.508: v1(191.364,264.922) 191.364,267.183 193.319,269.138 v1@210.617,269.138
  other v1: 210.617,269.143
L_NV: R22.1 U2.32 | length 47
  Top Layer w0.254: v1@210.668,267.437 213.074,265.03 U2.32@213.074,261.349
  Top Layer w0.508: R22.1@189.154,246.634 v1(191.389,246.634)
  Bottom Layer w0.508: v1(191.389,246.634) 191.389,263.525 195.377,267.513 v1@210.515,267.513
  other v1: 210.617,267.503
L_NW: R31.1 U2.33 | length 62.7
  Top Layer w0.254: v1@210.617,265.836 212.574,263.879 U2.33@212.574,261.349
  Top Layer w0.508: R31.1@187.579,228.219 v1(189.687,228.219)
  Bottom Layer w0.508: v1(189.687,228.219) 189.687,237.82 191.567,239.7 191.567,244.805 192.583,245.821 192.583,263.22 195.224,265.862 v1(210.617,265.862)
MODE: C10.1 R8.2 U2.17 | length 57.1
  Top Layer w0.254: U2.17@218.324,256.099 226.281,256.099 C10.1@227.203,255.177
  Top Layer w0.508: R8.2@217.769,215.392 217.769,217.286 226.746,226.263 v1(226.746,238.811) ; C10.1@227.203,255.177 228.083,256.057 v1(229.26,256.057)
  Bottom Layer w0.508: v1(226.746,238.811) 226.746,252.603 229.26,255.118 v1(229.26,256.057)
MOSI: P2.4 U2.22 | length 27.4
  Top Layer w0.254: U2.22@218.324,258.599 234.596,258.599 235.458,259.461
  Top Layer w0.35: 235.458,259.461 P2.4@242.443,266.446
NetB1_1: B1.1 D7.2 R17.2 | length 12.4
  Top Layer w1.016: B1.1@222.885,281.432 224.282,280.035 231.267,280.035 D7.2@231.267,276.578
NetB1_2: B1.2 D7.1 Q7.2 | length 11.6
  Top Layer w1.016: B1.2@222.885,273.832 225.989,273.832 228.282,271.539 Q7.2@228.282,270.76 228.282,271.589 229.771,273.078 D7.1@231.267,273.078
NetC1_1: C1.1 R3.2 U1.3 | length 10.1
  Top Layer w1.016: R3.2@206.729,203.511 207.038,203.82 C1.1@207.038,208.119 U1.3@207.038,213.487
NetC7_1: C7.1 R10.1 R12.1 U1.1 | length 9.8
  Top Layer w1.016: R10.1@199.39,213.741 199.39,210.219 C7.1@202.438,210.219 U1.1@202.438,213.487
NetC8_1: C8.1 D5.2 R5.2 R11.1 R13.1 | length 46.4
  Top Layer w0.508: D5.2@191.705,280.326 191.705,282.51 R13.1@192.405,283.21 ; D5.2@191.719,280.326 191.719,276.987 192.811,275.895 198.399,275.895 199.72,274.574 R11.1@199.72,249.606 199.72,247.278 C8.1@199.492,247.049
  Top Layer w0.635: R5.2@189.154,283.21 R13.1@192.405,283.21
NetC13_2: C13.2 U2.40 | length 4.5
  Top Layer w0.254: C13.2@205.359,256.701 206.511,256.701 207.909,258.099 U2.40@209.324,258.099
NetC16_1: C16.1 U2.34 | length 7.5
  Top Layer w0.254: C16.1@208.018,267.183 212.074,263.127 U2.34@212.074,261.349
NetC18_2: C18.2 R27.1 R28.2 U2.5 | length 14.9
  Top Layer w0.254: C18.2@209.575,244.695 C18.2@209.829,244.949 211.065,244.949 211.43,245.313 211.43,248.056 213.074,249.701 U2.5@213.074,252.349
  Top Layer w0.508: R28.2@207.391,244.949 C18.2@209.829,244.949 ; R27.1@209.575,242.037 C18.2@209.575,244.695
NetC21_2: C21.2 U2.12 | length 4.8
  Top Layer w0.254: U2.12@216.574,252.349 219.803,249.12 C21.2@219.803,248.895
NetD1_1: "DC INPUT.1" D1.1 D2.1 D4.1
  other v1: 165.557,201.666 170.637,201.981 165.557,204.128 170.637,204.403 165.557,206.59 170.637,206.826 173.355,208.966 176.124,209.02 165.557,209.052 170.637,209.248 165.557,211.514 170.637,211.671 165.557,213.976 170.637,214.093 165.557,216.437 170.637,216.516 165.557,218.899 170.637,218.938 165.557,221.361 170.637,221.361
NetD3_1: D3.1 R1.1 | length 3.4
  Top Layer w0.762: D3.1@187.173,200.025 187.456,200.308 R1.1@190.5,200.308
NetD8_1: D8.1 R20.2 | length 2.4
  Top Layer w1.016: R20.2@216.052,223.022 218.323,223.022 D8.1@218.415,223.114
NetD9_1: D9.1 R21.2 | length 2.4
  Top Layer w1.016: R21.2@211.303,223.022 213.599,223.022 D9.1@213.69,223.114
NetHR1_1: HR1.1 R32.2 | length 2.7
  Top Layer w0.508: HR1.1@209.296,283.337 210.981,283.337 R32.2@211.692,282.626
NetHR1_3: HR1.3 R37.2 | length 4.6
  Top Layer w0.635: R37.2@201.092,281.376 201.092,282.473 201.955,283.337 HR1.3@204.216,283.337
NetQ1_1: Q1.1 R2.1 R7.2 | length 8.4
  Top Layer w0.508: Q1.1@182.781,275.909 R7.2@185.479,275.909 185.479,276.259 R2.1@189.281,280.06
NetQ2_1: Q2.1 R14.2 R15.1 | length 6.3
  Top Layer w0.508: Q2.1@182.781,266.909 R15.1@187.054,266.909 R14.2@187.054,264.922
NetQ3_1: Q3.1 R16.1 R18.2 | length 7.4
  Top Layer w0.508: Q3.1@182.781,257.909 R18.2@185.479,257.909 187.031,259.461 188.265,259.461 R16.1@189.154,260.35
NetQ4_1: Q4.1 R22.2 R23.1 | length 6.5
  Top Layer w0.508: Q4.1@182.781,248.909 R23.1@187.054,248.909 R22.2@187.054,246.634
NetQ5_1: Q5.1 R26.2 R38.1 | length 7.4
  Top Layer w0.508: Q5.1@182.781,239.909 R26.2@185.479,239.909 186.819,241.249 188.087,241.249 R38.1@189.154,242.316
NetQ6_1: Q6.1 R31.2 R33.1 | length 5.5
  Top Layer w0.508: Q6.1@182.781,231.009 R33.1@185.479,231.009 R31.2@185.479,228.219
NetQ7_1: Q7.1 R24.1 | length 7.8
  Top Layer w1.016: R24.1@219.964,269.697 226.348,269.697 Q7.1@227.317,268.728
NetR4_2: R4.2 R9.1 S2.2 | length 16.2
  Top Layer w0.508: R4.2@223.556,213.292 R9.1@228.056,213.292 S2.2@228.056,210.364 S2.2@228.056,201.624
NetR6_2: R6.2 R8.1 S1.2 | length 16.2
  Top Layer w0.508: S1.2@213.269,201.624 S1.2@213.269,210.364 R6.2@213.269,213.292 R8.1@217.769,213.292
NetR19_1: R19.1 VR1.W | length 3.6
  Top Layer w0.35: VR1.W@240.315,222.25 VR1.W@240.442,222.123
  Top Layer w0.508: R19.1@236.855,222.25 VR1.W@240.315,222.25
NSS: P2.5 U2.21 | length 30.1
  Top Layer w0.254: U2.21@218.324,258.099 236.636,258.099 237.49,258.953
  Top Layer w0.35: 237.49,258.953 P2.5@244.983,266.446
OVP: C9.1 R11.2 U2.3 | length 17
  Top Layer w0.254: C9.1@201.93,247.049 202.98,247.049 203.403,247.472 203.403,249.479 204.292,250.368 211.633,250.368 212.074,250.809 U2.3@212.074,252.349
  Top Layer w0.508: R11.2@201.82,249.606 201.82,247.159 C9.1@201.93,247.049
P0.2: P2.7 U2.19 | length 35.6
  Top Layer w0.254: U2.19@218.324,257.099 240.716,257.099 241.554,257.937
  Top Layer w0.35: 241.554,257.937 P2.7@250.063,266.446
P0.3: P2.6 U2.20 | length 32.9
  Top Layer w0.254: U2.20@218.324,257.599 238.676,257.599 239.649,258.572
  Top Layer w0.35: 239.649,258.572 P2.6@247.523,266.446
RUN: D8.2 U2.15 | length 45.9
  Top Layer w0.254: U2.15@218.324,255.099 222.586,255.099 v1(223.73,253.956)
  Top Layer w0.508: D8.2@218.415,225.4 v1(220.701,225.4)
  Bottom Layer w0.254: v1@223.507,253.733 v1(223.73,253.956)
  Bottom Layer w0.508: v1(220.701,225.4) 220.701,228.346 214.732,234.315 214.732,250.038 215.875,251.181 220.955,251.181 v1@223.507,253.733
RXD: P1.3 U2.10 | length 56.6
  Top Layer w0.254: U2.10@215.574,252.349 215.574,250.999 216.357,250.215 v1(216.357,249.951)
  Bottom Layer w0.508: v1(216.357,249.951) 216.825,250.419 222.123,250.419 226.332,254.628 226.332,275.405 229.946,279.019 230.514,279.019 ; 230.515,279.019 241.681,279.019 243.637,280.975 P1.3@243.637,282.575
SCLK: P2.3 U2.24 | length 25.3
  Top Layer w0.254: U2.24@218.324,259.599 233.005,259.599 234.34,260.934
  Top Layer w0.35: 233.756,260.35 P2.3@239.903,266.497
TXD: P1.4 U2.11 | length 58.2
  Top Layer w0.254: U2.11@216.074,252.349 216.074,251.438 218.186,249.326 v1(218.186,249.123)
  Bottom Layer w0.508: v1(218.186,249.123) 218.592,249.53 222.275,249.53 227.017,254.271 227.017,275.12 230.23,278.333 241.965,278.333 246.177,282.545 P1.4@246.177,282.575
U: MOTOR.1 Q1.2 Q2.2
  other v1: 164.084,262.128 164.084,263.969 164.084,265.811 166.37,265.938 168.148,265.938 166.014,268.884 168.529,268.884 166.014,270.82 168.529,270.82 166.014,272.755 168.529,272.755 170.851,273.609 172.405,273.609 173.96,273.609 175.514,273.609 166.014,274.691 168.529,274.691 166.014,276.626 168.529,276.626 166.014,278.562 168.529,278.562
V: MOTOR.2 Q3.2 Q4.2
  other v1: 171.552,252.959 170.231,253.822 164.033,254.102 170.764,255.676 172.246,255.676 173.728,255.676 175.209,255.676 164.084,256.489 170.231,257.327 171.552,258.267